# KiCad board temp sensor_panel.kicad_pcb (continued)
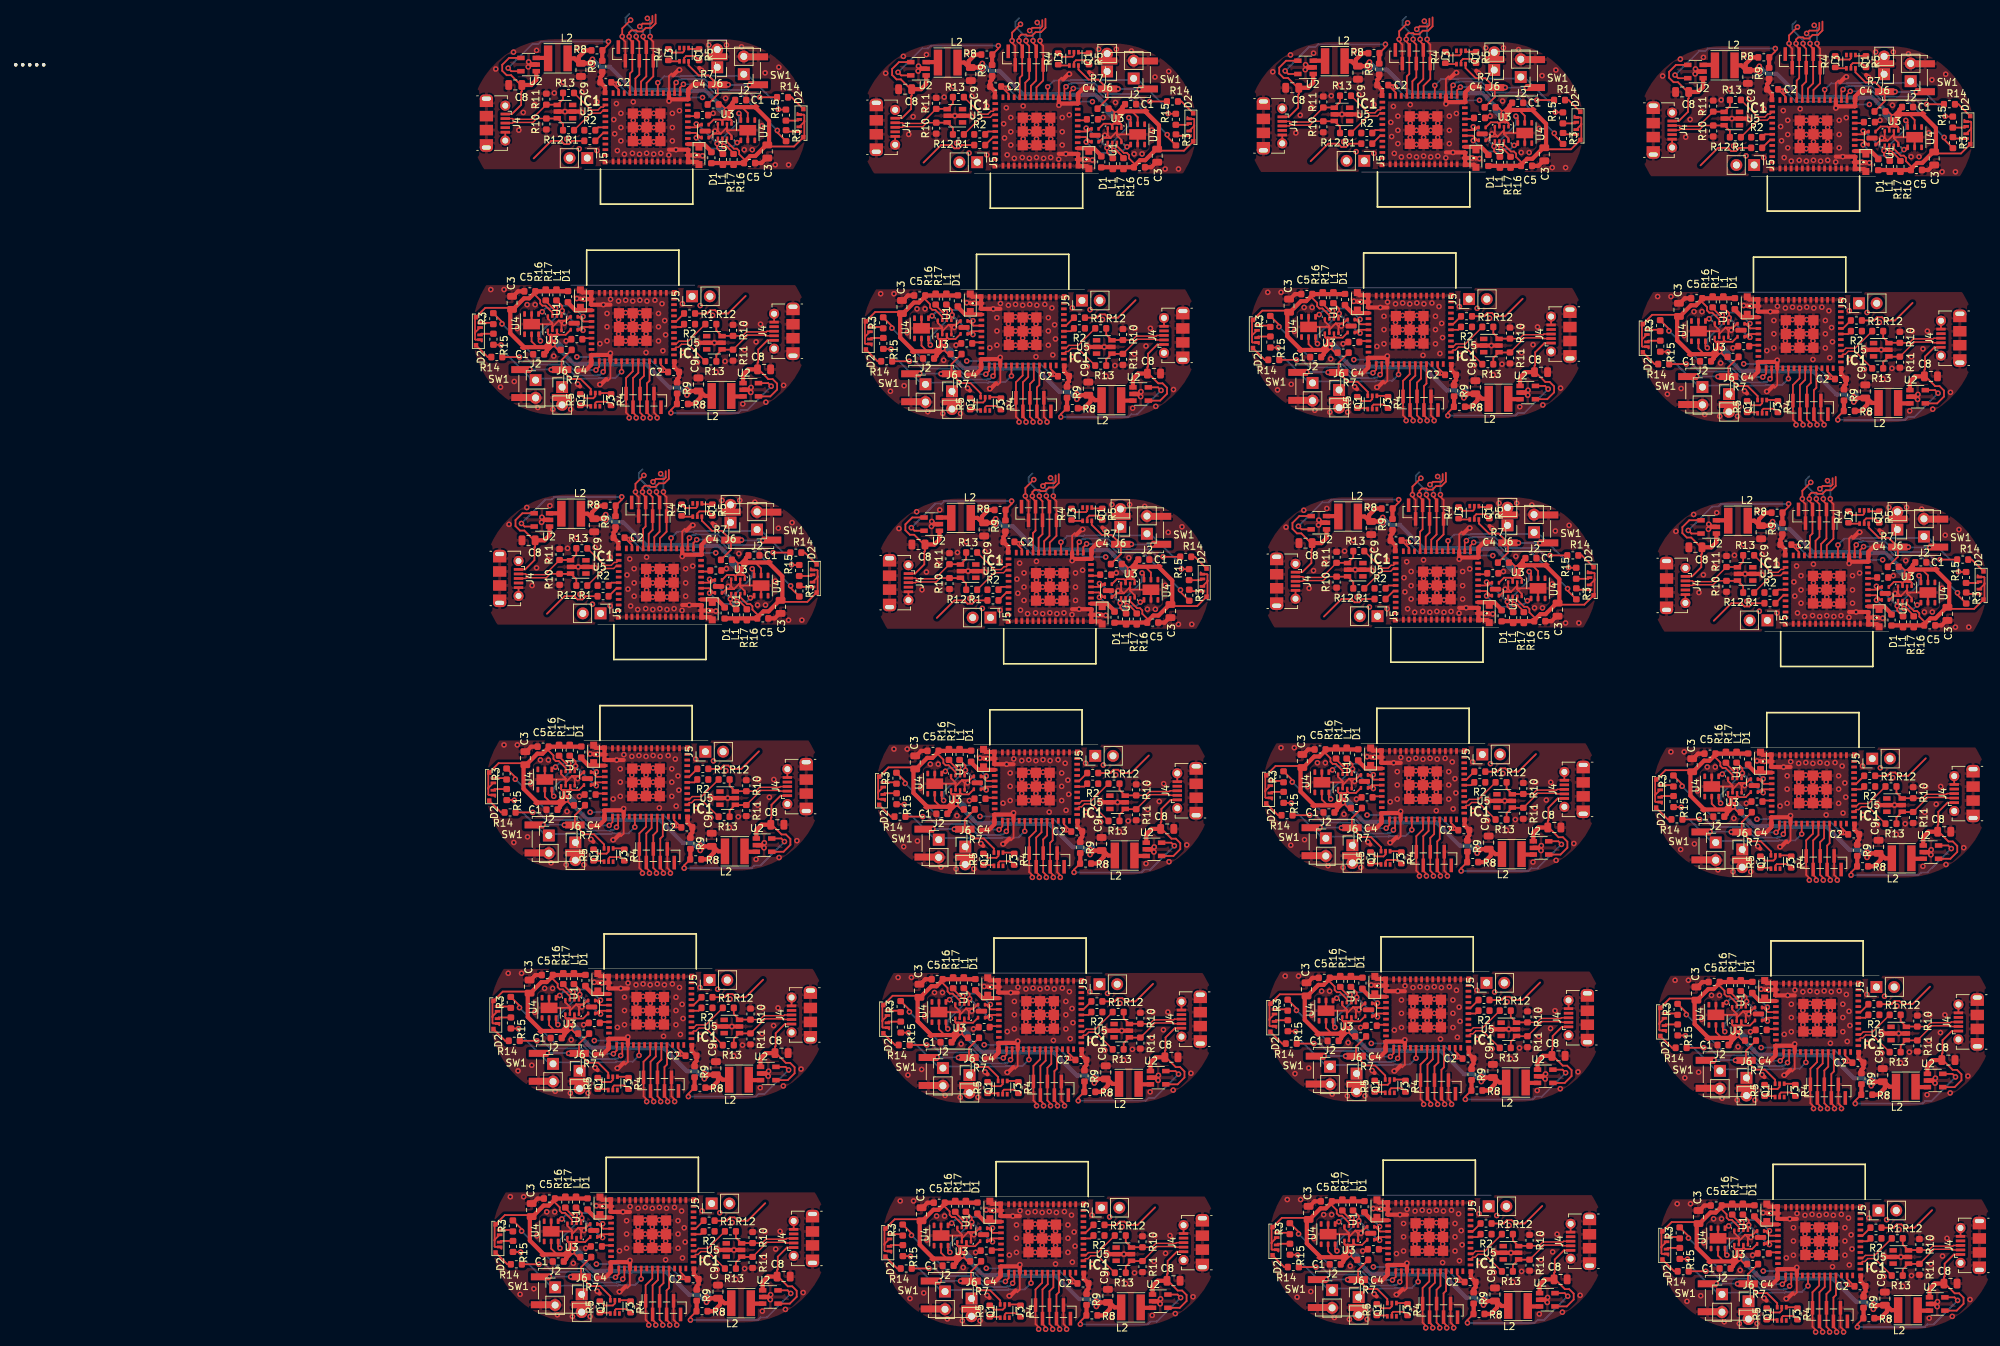
[diagram p0: board, top side]
## Placement (name value [footprint] x y rotation side) (continued)
J4#20  USB_B_Micro  [USB_Micro-B_Molex-105017-0001]  88.88 25.8 90 top
J4#21  USB_B_Micro  [USB_Micro-B_Molex-105017-0001]  200.38 -6.6 90 top
J4#22  USB_B_Micro  [USB_Micro-B_Molex-105017-0001]  144.58 -6 90 top
J4#23  USB_B_Micro  [USB_Micro-B_Molex-105017-0001]  33.38 -5.6 90 top
J4#24  USB_B_Micro  [USB_Micro-B_Molex-105017-0001]  89.18 -6.2 90 top
J5  Conn_01x02_Male  [PinHeader_1x02_P2.54mm_Vertical]  17.38 129.3 90 top
J5#2  Conn_01x02_Male  [PinHeader_1x02_P2.54mm_Vertical]  2.38 149.1 270 top
J5#3  Conn_01x02_Male  [PinHeader_1x02_P2.54mm_Vertical]  58.18 148.5 270 top
J5#4  Conn_01x02_Male  [PinHeader_1x02_P2.54mm_Vertical]  73.18 128.7 90 top
J5#5  Conn_01x02_Male  [PinHeader_1x02_P2.54mm_Vertical]  113.58 148.7 270 top
J5#6  Conn_01x02_Male  [PinHeader_1x02_P2.54mm_Vertical]  128.58 128.9 90 top
J5#7  Conn_01x02_Male  [PinHeader_1x02_P2.54mm_Vertical]  169.38 148.1 270 top
J5#8  Conn_01x02_Male  [PinHeader_1x02_P2.54mm_Vertical]  184.38 128.3 90 top
J5#9  Conn_01x02_Male  [PinHeader_1x02_P2.54mm_Vertical]  4.28 83.9 270 top
J5#10  Conn_01x02_Male  [PinHeader_1x02_P2.54mm_Vertical]  19.28 64.1 90 top
J5#11  Conn_01x02_Male  [PinHeader_1x02_P2.54mm_Vertical]  186.28 63.1 90 top
J5#12  Conn_01x02_Male  [PinHeader_1x02_P2.54mm_Vertical]  60.08 83.3 270 top
J5#13  Conn_01x02_Male  [PinHeader_1x02_P2.54mm_Vertical]  75.08 63.5 90 top
J5#14  Conn_01x02_Male  [PinHeader_1x02_P2.54mm_Vertical]  115.48 83.5 270 top
J5#15  Conn_01x02_Male  [PinHeader_1x02_P2.54mm_Vertical]  130.48 63.7 90 top
J5#16  Conn_01x02_Male  [PinHeader_1x02_P2.54mm_Vertical]  171.28 82.9 270 top
J5#17  Conn_01x02_Male  [PinHeader_1x02_P2.54mm_Vertical]  131.08 31 90 top
J5#18  Conn_01x02_Male  [PinHeader_1x02_P2.54mm_Vertical]  19.88 31.4 90 top
J5#19  Conn_01x02_Male  [PinHeader_1x02_P2.54mm_Vertical]  186.88 30.4 90 top
J5#20  Conn_01x02_Male  [PinHeader_1x02_P2.54mm_Vertical]  75.68 30.8 90 top
J5#21  Conn_01x02_Male  [PinHeader_1x02_P2.54mm_Vertical]  20.18 -0.6 90 top
J5#22  Conn_01x02_Male  [PinHeader_1x02_P2.54mm_Vertical]  131.38 -1 90 top
J5#23  Conn_01x02_Male  [PinHeader_1x02_P2.54mm_Vertical]  187.18 -1.6 90 top
J5#24  Conn_01x02_Male  [PinHeader_1x02_P2.54mm_Vertical]  75.98 -1.2 90 top
J6  Conn_01x02_Male  [PinHeader_1x02_P2.54mm_Vertical]  -1.22 116.3 0 top
J6#2  Conn_01x02_Male  [PinHeader_1x02_P2.54mm_Vertical]  20.98 162.1 180 top
J6#3  Conn_01x02_Male  [PinHeader_1x02_P2.54mm_Vertical]  76.78 161.5 180 top
J6#4  Conn_01x02_Male  [PinHeader_1x02_P2.54mm_Vertical]  54.58 115.7 0 top
J6#5  Conn_01x02_Male  [PinHeader_1x02_P2.54mm_Vertical]  132.18 161.7 180 top
J6#6  Conn_01x02_Male  [PinHeader_1x02_P2.54mm_Vertical]  109.98 115.9 0 top
J6#7  Conn_01x02_Male  [PinHeader_1x02_P2.54mm_Vertical]  187.98 161.1 180 top
J6#8  Conn_01x02_Male  [PinHeader_1x02_P2.54mm_Vertical]  165.78 115.3 0 top
J6#9  Conn_01x02_Male  [PinHeader_1x02_P2.54mm_Vertical]  22.88 96.9 180 top
J6#10  Conn_01x02_Male  [PinHeader_1x02_P2.54mm_Vertical]  0.68 51.1 0 top
J6#11  Conn_01x02_Male  [PinHeader_1x02_P2.54mm_Vertical]  167.68 50.1 0 top
J6#12  Conn_01x02_Male  [PinHeader_1x02_P2.54mm_Vertical]  78.68 96.3 180 top
J6#13  Conn_01x02_Male  [PinHeader_1x02_P2.54mm_Vertical]  56.48 50.5 0 top
J6#14  Conn_01x02_Male  [PinHeader_1x02_P2.54mm_Vertical]  134.08 96.5 180 top
J6#15  Conn_01x02_Male  [PinHeader_1x02_P2.54mm_Vertical]  111.88 50.7 0 top
J6#16  Conn_01x02_Male  [PinHeader_1x02_P2.54mm_Vertical]  189.88 95.9 180 top
J6#17  Conn_01x02_Male  [PinHeader_1x02_P2.54mm_Vertical]  112.48 18 0 top
J6#18  Conn_01x02_Male  [PinHeader_1x02_P2.54mm_Vertical]  1.28 18.4 0 top
J6#19  Conn_01x02_Male  [PinHeader_1x02_P2.54mm_Vertical]  168.28 17.4 0 top
J6#20  Conn_01x02_Male  [PinHeader_1x02_P2.54mm_Vertical]  57.08 17.8 0 top
J6#21  Conn_01x02_Male  [PinHeader_1x02_P2.54mm_Vertical]  1.58 -13.6 0 top
J6#22  Conn_01x02_Male  [PinHeader_1x02_P2.54mm_Vertical]  168.58 -14.6 0 top
J6#23  Conn_01x02_Male  [PinHeader_1x02_P2.54mm_Vertical]  112.78 -14 0 top
J6#24  Conn_01x02_Male  [PinHeader_1x02_P2.54mm_Vertical]  57.38 -14.2 0 top
L1  L_Core_Ferrite_Small  [L_0603_1608Metric]  -0.38 129.25 270 top
L1#2  L_Core_Ferrite_Small  [L_0603_1608Metric]  20.14 149.14 90 top
L1#3  L_Core_Ferrite_Small  [L_0603_1608Metric]  75.94 148.54 90 top
L1#4  L_Core_Ferrite_Small  [L_0603_1608Metric]  55.42 128.65 270 top
L1#5  L_Core_Ferrite_Small  [L_0603_1608Metric]  131.34 148.74 90 top
L1#6  L_Core_Ferrite_Small  [L_0603_1608Metric]  110.82 128.85 270 top
L1#7  L_Core_Ferrite_Small  [L_0603_1608Metric]  187.14 148.14 90 top
L1#8  L_Core_Ferrite_Small  [L_0603_1608Metric]  166.62 128.25 270 top
L1#9  L_Core_Ferrite_Small  [L_0603_1608Metric]  22.04 83.94 90 top
L1#10  L_Core_Ferrite_Small  [L_0603_1608Metric]  1.52 64.05 270 top
L1#11  L_Core_Ferrite_Small  [L_0603_1608Metric]  168.52 63.05 270 top
L1#12  L_Core_Ferrite_Small  [L_0603_1608Metric]  189.05 82.94 90 top
L1#13  L_Core_Ferrite_Small  [L_0603_1608Metric]  77.84 83.34 90 top
L1#14  L_Core_Ferrite_Small  [L_0603_1608Metric]  57.32 63.45 270 top
L1#15  L_Core_Ferrite_Small  [L_0603_1608Metric]  133.25 83.54 90 top
L1#16  L_Core_Ferrite_Small  [L_0603_1608Metric]  112.72 63.65 270 top
L1#17  L_Core_Ferrite_Small  [L_0603_1608Metric]  113.32 30.95 270 top
L1#18  L_Core_Ferrite_Small  [L_0603_1608Metric]  169.12 30.35 270 top
L1#19  L_Core_Ferrite_Small  [L_0603_1608Metric]  2.12 31.35 270 top
L1#20  L_Core_Ferrite_Small  [L_0603_1608Metric]  57.92 30.75 270 top
L1#21  L_Core_Ferrite_Small  [L_0603_1608Metric]  2.42 -0.65 270 top
L1#22  L_Core_Ferrite_Small  [L_0603_1608Metric]  169.42 -1.65 270 top
L1#23  L_Core_Ferrite_Small  [L_0603_1608Metric]  113.62 -1.05 270 top
L1#24  L_Core_Ferrite_Small  [L_0603_1608Metric]  58.22 -1.25 270 top
L2  2.2uH  [L_Taiyo-Yuden_MD-4040]  21.59 115.02 180 top
L2#2  2.2uH  [L_Taiyo-Yuden_MD-4040]  -1.83 163.37 0 top
L2#3  2.2uH  [L_Taiyo-Yuden_MD-4040]  53.97 162.77 0 top
L2#4  2.2uH  [L_Taiyo-Yuden_MD-4040]  77.39 114.42 180 top
L2#5  2.2uH  [L_Taiyo-Yuden_MD-4040]  109.37 162.97 0 top
L2#6  2.2uH  [L_Taiyo-Yuden_MD-4040]  132.79 114.62 180 top
L2#7  2.2uH  [L_Taiyo-Yuden_MD-4040]  165.17 162.37 0 top
L2#8  2.2uH  [L_Taiyo-Yuden_MD-4040]  188.59 114.02 180 top
L2#9  2.2uH  [L_Taiyo-Yuden_MD-4040]  0.07 98.17 0 top
L2#10  2.2uH  [L_Taiyo-Yuden_MD-4040]  23.49 49.82 180 top
L2#11  2.2uH  [L_Taiyo-Yuden_MD-4040]  190.49 48.82 180 top
L2#12  2.2uH  [L_Taiyo-Yuden_MD-4040]  55.87 97.57 0 top
L2#13  2.2uH  [L_Taiyo-Yuden_MD-4040]  79.29 49.22 180 top
L2#14  2.2uH  [L_Taiyo-Yuden_MD-4040]  111.27 97.77 0 top
L2#15  2.2uH  [L_Taiyo-Yuden_MD-4040]  134.69 49.43 180 top
L2#16  2.2uH  [L_Taiyo-Yuden_MD-4040]  167.07 97.17 0 top
L2#17  2.2uH  [L_Taiyo-Yuden_MD-4040]  135.29 16.72 180 top
L2#18  2.2uH  [L_Taiyo-Yuden_MD-4040]  24.09 17.12 180 top
L2#19  2.2uH  [L_Taiyo-Yuden_MD-4040]  191.09 16.12 180 top
L2#20  2.2uH  [L_Taiyo-Yuden_MD-4040]  79.89 16.53 180 top
L2#21  2.2uH  [L_Taiyo-Yuden_MD-4040]  24.39 -14.88 180 top
L2#22  2.2uH  [L_Taiyo-Yuden_MD-4040]  135.59 -15.28 180 top
L2#23  2.2uH  [L_Taiyo-Yuden_MD-4040]  191.39 -15.88 180 top
L2#24  2.2uH  [L_Taiyo-Yuden_MD-4040]  80.19 -15.47 180 top
Q1  BC847BDW1  [SOT-363_SC-70-6]  3.53 114.5 90 top
Q1#2  BC847BDW1  [SOT-363_SC-70-6]  16.23 163.9 270 top
Q1#3  BC847BDW1  [SOT-363_SC-70-6]  72.03 163.3 270 top
Q1#4  BC847BDW1  [SOT-363_SC-70-6]  59.33 113.9 90 top
Q1#5  BC847BDW1  [SOT-363_SC-70-6]  127.43 163.5 270 top
Q1#6  BC847BDW1  [SOT-363_SC-70-6]  114.73 114.1 90 top
Q1#7  BC847BDW1  [SOT-363_SC-70-6]  183.23 162.9 270 top
Q1#8  BC847BDW1  [SOT-363_SC-70-6]  170.53 113.5 90 top
Q1#9  BC847BDW1  [SOT-363_SC-70-6]  18.13 98.7 270 top
Q1#10  BC847BDW1  [SOT-363_SC-70-6]  5.43 49.3 90 top
Q1#11  BC847BDW1  [SOT-363_SC-70-6]  172.43 48.3 90 top
Q1#12  BC847BDW1  [SOT-363_SC-70-6]  73.93 98.1 270 top
Q1#13  BC847BDW1  [SOT-363_SC-70-6]  61.23 48.7 90 top
Q1#14  BC847BDW1  [SOT-363_SC-70-6]  129.33 98.3 270 top
Q1#15  BC847BDW1  [SOT-363_SC-70-6]  116.63 48.9 90 top
Q1#16  BC847BDW1  [SOT-363_SC-70-6]  185.13 97.7 270 top
Q1#17  BC847BDW1  [SOT-363_SC-70-6]  6.03 16.6 90 top
Q1#18  BC847BDW1  [SOT-363_SC-70-6]  173.03 15.6 90 top
Q1#19  BC847BDW1  [SOT-363_SC-70-6]  61.83 16 90 top
Q1#20  BC847BDW1  [SOT-363_SC-70-6]  117.23 16.2 90 top
Q1#21  BC847BDW1  [SOT-363_SC-70-6]  173.33 -16.4 90 top
Q1#22  BC847BDW1  [SOT-363_SC-70-6]  6.33 -15.4 90 top
Q1#23  BC847BDW1  [SOT-363_SC-70-6]  62.13 -16 90 top
Q1#24  BC847BDW1  [SOT-363_SC-70-6]  117.53 -15.8 90 top
R1  499R  [R_0603_1608Metric]  17.02 126.84 0 top
R1#2  499R  [R_0603_1608Metric]  2.75 151.56 180 top
R1#3  499R  [R_0603_1608Metric]  58.55 150.96 180 top
R1#4  499R  [R_0603_1608Metric]  72.82 126.24 0 top
R1#5  499R  [R_0603_1608Metric]  113.95 151.16 180 top
R1#6  499R  [R_0603_1608Metric]  128.22 126.44 0 top
R1#7  499R  [R_0603_1608Metric]  169.75 150.56 180 top
R1#8  499R  [R_0603_1608Metric]  184.02 125.84 0 top
R1#9  499R  [R_0603_1608Metric]  4.65 86.36 180 top
R1#10  499R  [R_0603_1608Metric]  18.92 61.64 0 top
R1#11  499R  [R_0603_1608Metric]  185.92 60.64 0 top
R1#12  499R  [R_0603_1608Metric]  60.45 85.76 180 top
R1#13  499R  [R_0603_1608Metric]  74.72 61.04 0 top
R1#14  499R  [R_0603_1608Metric]  115.85 85.96 180 top
R1#15  499R  [R_0603_1608Metric]  130.12 61.24 0 top
R1#16  499R  [R_0603_1608Metric]  171.65 85.36 180 top
R1#17  499R  [R_0603_1608Metric]  130.72 28.54 0 top
R1#18  499R  [R_0603_1608Metric]  19.52 28.94 0 top
R1#19  499R  [R_0603_1608Metric]  186.52 27.94 0 top
R1#20  499R  [R_0603_1608Metric]  75.32 28.34 0 top
R1#21  499R  [R_0603_1608Metric]  19.82 -3.06 0 top
R1#22  499R  [R_0603_1608Metric]  186.82 -4.06 0 top
R1#23  499R  [R_0603_1608Metric]  131.02 -3.46 0 top
R1#24  499R  [R_0603_1608Metric]  75.62 -3.66 0 top
R2  499R  [R_0603_1608Metric]  17.02 125.31 0 top
R2#2  499R  [R_0603_1608Metric]  2.75 153.08 180 top
R2#3  499R  [R_0603_1608Metric]  58.55 152.48 180 top
R2#4  499R  [R_0603_1608Metric]  72.82 124.71 0 top
R2#5  499R  [R_0603_1608Metric]  113.95 152.68 180 top
R2#6  499R  [R_0603_1608Metric]  128.22 124.91 0 top
R2#7  499R  [R_0603_1608Metric]  169.75 152.08 180 top
R2#8  499R  [R_0603_1608Metric]  184.02 124.31 0 top
R2#9  499R  [R_0603_1608Metric]  4.65 87.88 180 top
R2#10  499R  [R_0603_1608Metric]  18.92 60.11 0 top
R2#11  499R  [R_0603_1608Metric]  185.92 59.11 0 top
R2#12  499R  [R_0603_1608Metric]  60.45 87.28 180 top
R2#13  499R  [R_0603_1608Metric]  74.72 59.51 0 top
R2#14  499R  [R_0603_1608Metric]  115.85 87.48 180 top
R2#15  499R  [R_0603_1608Metric]  130.12 59.71 0 top
R2#16  499R  [R_0603_1608Metric]  171.65 86.88 180 top
R2#17  499R  [R_0603_1608Metric]  130.72 27.01 0 top
R2#18  499R  [R_0603_1608Metric]  19.52 27.41 0 top
R2#19  499R  [R_0603_1608Metric]  186.52 26.41 0 top
R2#20  499R  [R_0603_1608Metric]  75.32 26.81 0 top
R2#21  499R  [R_0603_1608Metric]  186.82 -5.59 0 top
R2#22  499R  [R_0603_1608Metric]  131.02 -4.99 0 top
R2#23  499R  [R_0603_1608Metric]  19.82 -4.59 0 top
R2#24  499R  [R_0603_1608Metric]  75.62 -5.19 0 top
R3  200  [R_0603_1608Metric]  -11.07 126.1 270 top
R3#2  200  [R_0603_1608Metric]  30.83 152.3 90 top
R3#3  200  [R_0603_1608Metric]  86.63 151.7 90 top
R3#4  200  [R_0603_1608Metric]  44.73 125.5 270 top
R3#5  200  [R_0603_1608Metric]  142.03 151.9 90 top
R3#6  200  [R_0603_1608Metric]  100.13 125.7 270 top
R3#7  200  [R_0603_1608Metric]  197.83 151.3 90 top
R3#8  200  [R_0603_1608Metric]  155.93 125.1 270 top
R3#9  200  [R_0603_1608Metric]  32.73 87.1 90 top
R3#10  200  [R_0603_1608Metric]  -9.17 60.9 270 top
R3#11  200  [R_0603_1608Metric]  157.83 59.9 270 top
R3#12  200  [R_0603_1608Metric]  88.53 86.5 90 top
R3#13  200  [R_0603_1608Metric]  46.63 60.3 270 top
R3#14  200  [R_0603_1608Metric]  143.93 86.7 90 top
R3#15  200  [R_0603_1608Metric]  102.03 60.5 270 top
R3#16  200  [R_0603_1608Metric]  199.73 86.1 90 top
R3#17  200  [R_0603_1608Metric]  102.63 27.8 270 top
R3#18  200  [R_0603_1608Metric]  -8.57 28.2 270 top
R3#19  200  [R_0603_1608Metric]  158.43 27.2 270 top
R3#20  200  [R_0603_1608Metric]  47.23 27.6 270 top
R3#21  200  [R_0603_1608Metric]  158.73 -4.8 270 top
R3#22  200  [R_0603_1608Metric]  102.93 -4.2 270 top
R3#23  200  [R_0603_1608Metric]  -8.27 -3.8 270 top
R3#24  200  [R_0603_1608Metric]  47.53 -4.4 270 top
R4  10K  [R_0603_1608Metric#2]  5.78 114.5 270 top
R4#2  10K  [R_0603_1608Metric#2]  13.98 163.9 90 top
R4#3  10K  [R_0603_1608Metric#2]  69.78 163.3 90 top
R4#4  10K  [R_0603_1608Metric#2]  61.58 113.9 270 top
R4#5  10K  [R_0603_1608Metric#2]  125.18 163.5 90 top
R4#6  10K  [R_0603_1608Metric#2]  116.98 114.1 270 top
R4#7  10K  [R_0603_1608Metric#2]  180.98 162.9 90 top
R4#8  10K  [R_0603_1608Metric#2]  172.78 113.5 270 top
R4#9  10K  [R_0603_1608Metric#2]  15.88 98.7 90 top
R4#10  10K  [R_0603_1608Metric#2]  7.68 49.3 270 top
R4#11  10K  [R_0603_1608Metric#2]  174.68 48.3 270 top
R4#12  10K  [R_0603_1608Metric#2]  71.68 98.1 90 top
R4#13  10K  [R_0603_1608Metric#2]  63.48 48.7 270 top
R4#14  10K  [R_0603_1608Metric#2]  127.08 98.3 90 top
R4#15  10K  [R_0603_1608Metric#2]  118.88 48.9 270 top
R4#16  10K  [R_0603_1608Metric#2]  182.88 97.7 90 top
R4#17  10K  [R_0603_1608Metric#2]  119.48 16.2 270 top
R4#18  10K  [R_0603_1608Metric#2]  8.28 16.6 270 top
R4#19  10K  [R_0603_1608Metric#2]  175.28 15.6 270 top
R4#20  10K  [R_0603_1608Metric#2]  64.08 16 270 top
R4#21  10K  [R_0603_1608Metric#2]  119.78 -15.8 270 top
R4#22  10K  [R_0603_1608Metric#2]  8.58 -15.4 270 top
R4#23  10K  [R_0603_1608Metric#2]  175.58 -16.4 270 top
R4#24  10K  [R_0603_1608Metric#2]  64.38 -16 270 top
R5  10K  [R_0603_1608Metric#2]  1.38 114.5 90 top
R5#2  10K  [R_0603_1608Metric#2]  18.38 163.9 270 top
R5#3  10K  [R_0603_1608Metric#2]  74.18 163.3 270 top
R5#4  10K  [R_0603_1608Metric#2]  57.18 113.9 90 top
R5#5  10K  [R_0603_1608Metric#2]  129.58 163.5 270 top
R5#6  10K  [R_0603_1608Metric#2]  112.58 114.1 90 top
R5#7  10K  [R_0603_1608Metric#2]  185.38 162.9 270 top
R5#8  10K  [R_0603_1608Metric#2]  168.38 113.5 90 top
R5#9  10K  [R_0603_1608Metric#2]  20.28 98.7 270 top
R5#10  10K  [R_0603_1608Metric#2]  3.28 49.3 90 top
R5#11  10K  [R_0603_1608Metric#2]  170.28 48.3 90 top
R5#12  10K  [R_0603_1608Metric#2]  76.08 98.1 270 top
R5#13  10K  [R_0603_1608Metric#2]  59.08 48.7 90 top
R5#14  10K  [R_0603_1608Metric#2]  131.48 98.3 270 top
R5#15  10K  [R_0603_1608Metric#2]  114.48 48.9 90 top
R5#16  10K  [R_0603_1608Metric#2]  187.28 97.7 270 top
R5#17  10K  [R_0603_1608Metric#2]  115.08 16.2 90 top
R5#18  10K  [R_0603_1608Metric#2]  3.88 16.6 90 top
R5#19  10K  [R_0603_1608Metric#2]  170.88 15.6 90 top
R5#20  10K  [R_0603_1608Metric#2]  59.68 16 90 top
R5#21  10K  [R_0603_1608Metric#2]  4.18 -15.4 90 top
R5#22  10K  [R_0603_1608Metric#2]  171.18 -16.4 90 top
R5#23  10K  [R_0603_1608Metric#2]  115.38 -15.8 90 top
R5#24  10K  [R_0603_1608Metric#2]  59.98 -16 90 top
R7  10K  [R_0603_1608Metric]  -0.64 121.63 180 top
R7#2  10K  [R_0603_1608Metric]  20.4 156.76 0 top
R7#3  10K  [R_0603_1608Metric]  76.2 156.16 0 top
R7#4  10K  [R_0603_1608Metric]  55.16 121.03 180 top
R7#5  10K  [R_0603_1608Metric]  131.6 156.36 0 top
R7#6  10K  [R_0603_1608Metric]  110.56 121.23 180 top
R7#7  10K  [R_0603_1608Metric]  187.4 155.76 0 top
R7#8  10K  [R_0603_1608Metric]  166.37 120.63 180 top
R7#9  10K  [R_0603_1608Metric]  22.3 91.56 0 top
R7#10  10K  [R_0603_1608Metric]  1.26 56.43 180 top
R7#11  10K  [R_0603_1608Metric]  168.26 55.43 180 top
R7#12  10K  [R_0603_1608Metric]  78.1 90.96 0 top
R7#13  10K  [R_0603_1608Metric]  57.06 55.83 180 top
R7#14  10K  [R_0603_1608Metric]  133.5 91.16 0 top
R7#15  10K  [R_0603_1608Metric]  112.46 56.03 180 top
R7#16  10K  [R_0603_1608Metric]  189.3 90.56 0 top
R7#17  10K  [R_0603_1608Metric]  113.06 23.33 180 top
R7#18  10K  [R_0603_1608Metric]  1.86 23.73 180 top
R7#19  10K  [R_0603_1608Metric]  168.87 22.73 180 top
R7#20  10K  [R_0603_1608Metric]  57.66 23.13 180 top
R7#21  10K  [R_0603_1608Metric]  169.17 -9.27 180 top
R7#22  10K  [R_0603_1608Metric]  113.36 -8.67 180 top
R7#23  10K  [R_0603_1608Metric]  2.16 -8.27 180 top
R7#24  10K  [R_0603_1608Metric]  57.97 -8.87 180 top
R8  680k  [R_0603_1608Metric]  16 113.88 0 top
R8#2  680k  [R_0603_1608Metric]  3.76 164.51 180 top
R8#3  680k  [R_0603_1608Metric]  59.56 163.91 180 top
R8#4  680k  [R_0603_1608Metric]  71.8 113.28 0 top
R8#5  680k  [R_0603_1608Metric]  114.96 164.11 180 top
R8#6  680k  [R_0603_1608Metric]  127.2 113.48 0 top
R8#7  680k  [R_0603_1608Metric]  170.76 163.51 180 top
R8#8  680k  [R_0603_1608Metric]  183 112.88 0 top
R8#9  680k  [R_0603_1608Metric]  5.66 99.31 180 top
R8#10  680k  [R_0603_1608Metric]  17.9 48.68 0 top
R8#11  680k  [R_0603_1608Metric]  184.9 47.68 0 top
R8#12  680k  [R_0603_1608Metric]  61.46 98.71 180 top
R8#13  680k  [R_0603_1608Metric]  73.7 48.08 0 top
R8#14  680k  [R_0603_1608Metric]  116.86 98.91 180 top
R8#15  680k  [R_0603_1608Metric]  129.1 48.28 0 top
R8#16  680k  [R_0603_1608Metric]  172.66 98.31 180 top
R8#17  680k  [R_0603_1608Metric]  129.7 15.58 0 top
R8#18  680k  [R_0603_1608Metric]  18.5 15.98 0 top
R8#19  680k  [R_0603_1608Metric]  185.5 14.98 0 top
R8#20  680k  [R_0603_1608Metric]  74.3 15.38 0 top
R8#21  680k  [R_0603_1608Metric]  18.8 -16.02 0 top
R8#22  680k  [R_0603_1608Metric]  185.8 -17.02 0 top
R8#23  680k  [R_0603_1608Metric]  130 -16.42 0 top
R8#24  680k  [R_0603_1608Metric]  74.6 -16.62 0 top
R9  150K  [R_0603_1608Metric]  15.24 116.17 270 top
R9#2  150K  [R_0603_1608Metric]  4.52 162.22 90 top
R9#3  150K  [R_0603_1608Metric]  60.32 161.62 90 top
R9#4  150K  [R_0603_1608Metric]  71.04 115.57 270 top
R9#5  150K  [R_0603_1608Metric]  115.72 161.82 90 top
R9#6  150K  [R_0603_1608Metric]  126.44 115.77 270 top
R9#7  150K  [R_0603_1608Metric]  171.52 161.22 90 top
R9#8  150K  [R_0603_1608Metric]  182.24 115.17 270 top
R9#9  150K  [R_0603_1608Metric]  6.42 97.02 90 top
R9#10  150K  [R_0603_1608Metric]  17.14 50.97 270 top
R9#11  150K  [R_0603_1608Metric]  184.14 49.97 270 top
R9#12  150K  [R_0603_1608Metric]  62.22 96.42 90 top
R9#13  150K  [R_0603_1608Metric]  72.94 50.37 270 top
R9#14  150K  [R_0603_1608Metric]  117.62 96.62 90 top
R9#15  150K  [R_0603_1608Metric]  128.34 50.57 270 top
R9#16  150K  [R_0603_1608Metric]  173.42 96.02 90 top
R9#17  150K  [R_0603_1608Metric]  128.94 17.87 270 top
R9#18  150K  [R_0603_1608Metric]  17.74 18.27 270 top
R9#19  150K  [R_0603_1608Metric]  184.74 17.27 270 top
R9#20  150K  [R_0603_1608Metric]  73.54 17.67 270 top
R9#21  150K  [R_0603_1608Metric]  18.04 -13.73 270 top
R9#22  150K  [R_0603_1608Metric]  185.04 -14.73 270 top
R9#23  150K  [R_0603_1608Metric]  129.24 -14.13 270 top
R9#24  150K  [R_0603_1608Metric]  73.84 -14.33 270 top
R10  15K  [R_0603_1608Metric]  23.24 124.42 90 top
R10#2  15K  [R_0603_1608Metric]  -3.48 153.97 270 top
R10#3  15K  [R_0603_1608Metric]  52.32 153.37 270 top
R10#4  15K  [R_0603_1608Metric]  79.04 123.82 90 top
R10#5  15K  [R_0603_1608Metric]  107.72 153.57 270 top
R10#6  15K  [R_0603_1608Metric]  134.44 124.02 90 top
R10#7  15K  [R_0603_1608Metric]  163.52 152.97 270 top
R10#8  15K  [R_0603_1608Metric]  190.24 123.42 90 top
R10#9  15K  [R_0603_1608Metric]  -1.58 88.77 270 top
R10#10  15K  [R_0603_1608Metric]  25.14 59.22 90 top
R10#11  15K  [R_0603_1608Metric]  54.22 88.17 270 top
R10#12  15K  [R_0603_1608Metric]  80.94 58.62 90 top
R10#13  15K  [R_0603_1608Metric]  136.34 58.82 90 top
R10#14  15K  [R_0603_1608Metric]  109.62 88.37 270 top
R10#15  15K  [R_0603_1608Metric]  165.42 87.77 270 top
R10#16  15K  [R_0603_1608Metric]  192.14 58.22 90 top
R10#17  15K  [R_0603_1608Metric]  192.74 25.52 90 top
R10#18  15K  [R_0603_1608Metric]  136.94 26.12 90 top
R10#19  15K  [R_0603_1608Metric]  25.74 26.52 90 top
R10#20  15K  [R_0603_1608Metric]  81.54 25.92 90 top
R10#21  15K  [R_0603_1608Metric]  193.04 -6.48 90 top
R10#22  15K  [R_0603_1608Metric]  137.24 -5.88 90 top
R10#23  15K  [R_0603_1608Metric]  26.04 -5.48 90 top
R10#24  15K  [R_0603_1608Metric]  81.84 -6.08 90 top
R11  15K  [R_0603_1608Metric]  23.24 120.87 90 top
R11#2  15K  [R_0603_1608Metric]  -3.48 157.53 270 top
R11#3  15K  [R_0603_1608Metric]  52.32 156.93 270 top
R11#4  15K  [R_0603_1608Metric]  79.04 120.27 90 top
R11#5  15K  [R_0603_1608Metric]  107.72 157.12 270 top
R11#6  15K  [R_0603_1608Metric]  134.44 120.47 90 top
R11#7  15K  [R_0603_1608Metric]  163.52 156.53 270 top
R11#8  15K  [R_0603_1608Metric]  190.24 119.87 90 top
R11#9  15K  [R_0603_1608Metric]  -1.58 92.33 270 top
R11#10  15K  [R_0603_1608Metric]  25.14 55.67 90 top
R11#11  15K  [R_0603_1608Metric]  165.42 91.33 270 top
R11#12  15K  [R_0603_1608Metric]  192.14 54.67 90 top
R11#13  15K  [R_0603_1608Metric]  54.22 91.72 270 top
R11#14  15K  [R_0603_1608Metric]  80.94 55.07 90 top
R11#15  15K  [R_0603_1608Metric]  109.62 91.92 270 top
R11#16  15K  [R_0603_1608Metric]  136.34 55.27 90 top
R11#17  15K  [R_0603_1608Metric]  136.94 22.57 90 top
R11#18  15K  [R_0603_1608Metric]  25.74 22.97 90 top
R11#19  15K  [R_0603_1608Metric]  192.74 21.97 90 top
R11#20  15K  [R_0603_1608Metric]  81.54 22.37 90 top
R11#21  15K  [R_0603_1608Metric]  137.24 -9.43 90 top
R11#22  15K  [R_0603_1608Metric]  26.04 -9.03 90 top
R11#23  15K  [R_0603_1608Metric]  193.04 -10.03 90 top
R11#24  15K  [R_0603_1608Metric]  81.84 -9.63 90 top
R12  27  [R_0603_1608Metric]  20.07 125.31 180 top
R12#2  27  [R_0603_1608Metric]  -0.3 153.08 0 top
R12#3  27  [R_0603_1608Metric]  55.5 152.48 0 top
R12#4  27  [R_0603_1608Metric]  75.87 124.71 180 top
R12#5  27  [R_0603_1608Metric]  110.9 152.68 0 top
R12#6  27  [R_0603_1608Metric]  131.27 124.91 180 top
R12#7  27  [R_0603_1608Metric]  166.7 152.08 0 top
R12#8  27  [R_0603_1608Metric]  187.07 124.31 180 top
R12#9  27  [R_0603_1608Metric]  1.6 87.88 0 top
R12#10  27  [R_0603_1608Metric]  21.97 60.11 180 top
R12#11  27  [R_0603_1608Metric]  188.97 59.11 180 top
R12#12  27  [R_0603_1608Metric]  57.4 87.28 0 top
R12#13  27  [R_0603_1608Metric]  77.77 59.51 180 top
R12#14  27  [R_0603_1608Metric]  112.8 87.48 0 top
R12#15  27  [R_0603_1608Metric]  133.17 59.71 180 top
R12#16  27  [R_0603_1608Metric]  168.6 86.88 0 top
R12#17  27  [R_0603_1608Metric]  133.77 27.01 180 top
R12#18  27  [R_0603_1608Metric]  22.57 27.41 180 top
R12#19  27  [R_0603_1608Metric]  189.57 26.41 180 top
R12#20  27  [R_0603_1608Metric]  78.37 26.81 180 top
R12#21  27  [R_0603_1608Metric]  189.87 -5.59 180 top
R12#22  27  [R_0603_1608Metric]  134.07 -4.99 180 top
R12#23  27  [R_0603_1608Metric]  22.87 -4.59 180 top
R12#24  27  [R_0603_1608Metric]  78.67 -5.19 180 top
R13  27  [R_0603_1608Metric]  20.07 119.98 180 top
R13#2  27  [R_0603_1608Metric]  -0.3 158.41 0 top
R13#3  27  [R_0603_1608Metric]  55.5 157.81 0 top
R13#4  27  [R_0603_1608Metric]  75.87 119.38 180 top
R13#5  27  [R_0603_1608Metric]  110.9 158.01 0 top
R13#6  27  [R_0603_1608Metric]  131.27 119.58 180 top
R13#7  27  [R_0603_1608Metric]  166.7 157.41 0 top
R13#8  27  [R_0603_1608Metric]  187.07 118.98 180 top
R13#9  27  [R_0603_1608Metric]  1.6 93.21 0 top
R13#10  27  [R_0603_1608Metric]  21.97 54.78 180 top
R13#11  27  [R_0603_1608Metric]  57.4 92.61 0 top
R13#12  27  [R_0603_1608Metric]  77.77 54.18 180 top
R13#13  27  [R_0603_1608Metric]  112.8 92.81 0 top
R13#14  27  [R_0603_1608Metric]  133.17 54.38 180 top
R13#15  27  [R_0603_1608Metric]  168.6 92.21 0 top
R13#16  27  [R_0603_1608Metric]  188.97 53.78 180 top
R13#17  27  [R_0603_1608Metric]  189.57 21.08 180 top
R13#18  27  [R_0603_1608Metric]  133.77 21.68 180 top
R13#19  27  [R_0603_1608Metric]  22.57 22.08 180 top
R13#20  27  [R_0603_1608Metric]  78.37 21.48 180 top
R13#21  27  [R_0603_1608Metric]  189.87 -10.92 180 top
R13#22  27  [R_0603_1608Metric]  134.07 -10.32 180 top
R13#23  27  [R_0603_1608Metric]  22.87 -9.92 180 top
R13#24  27  [R_0603_1608Metric]  78.67 -10.52 180 top
R14  100  [R_0603_1608Metric]  -10.57 120.6 180 top
R14#2  100  [R_0603_1608Metric]  30.33 157.8 0 top
R14#3  100  [R_0603_1608Metric]  86.13 157.2 0 top
R14#4  100  [R_0603_1608Metric]  45.23 120 180 top
R14#5  100  [R_0603_1608Metric]  141.53 157.4 0 top
R14#6  100  [R_0603_1608Metric]  100.63 120.2 180 top
R14#7  100  [R_0603_1608Metric]  197.33 156.8 0 top
R14#8  100  [R_0603_1608Metric]  156.43 119.6 180 top
R14#9  100  [R_0603_1608Metric]  32.23 92.6 0 top
R14#10  100  [R_0603_1608Metric]  -8.67 55.4 180 top
R14#11  100  [R_0603_1608Metric]  158.33 54.4 180 top
R14#12  100  [R_0603_1608Metric]  88.03 92 0 top
R14#13  100  [R_0603_1608Metric]  47.13 54.8 180 top
R14#14  100  [R_0603_1608Metric]  143.43 92.2 0 top
R14#15  100  [R_0603_1608Metric]  102.53 55 180 top
R14#16  100  [R_0603_1608Metric]  199.23 91.6 0 top
R14#17  100  [R_0603_1608Metric]  103.13 22.3 180 top
R14#18  100  [R_0603_1608Metric]  -8.07 22.7 180 top
R14#19  100  [R_0603_1608Metric]  158.93 21.7 180 top
R14#20  100  [R_0603_1608Metric]  47.73 22.1 180 top
R14#21  100  [R_0603_1608Metric]  -7.77 -9.3 180 top
R14#22  100  [R_0603_1608Metric]  103.43 -9.7 180 top
R14#23  100  [R_0603_1608Metric]  159.23 -10.3 180 top
R14#24  100  [R_0603_1608Metric]  48.03 -9.9 180 top
R15  100  [R_0603_1608Metric]  -11.05 123.15 90 top
R15#2  100  [R_0603_1608Metric]  30.81 155.24 270 top
R15#3  100  [R_0603_1608Metric]  86.61 154.64 270 top
R15#4  100  [R_0603_1608Metric]  44.75 122.55 90 top
R15#5  100  [R_0603_1608Metric]  142.01 154.84 270 top
R15#6  100  [R_0603_1608Metric]  100.15 122.75 90 top
R15#7  100  [R_0603_1608Metric]  197.81 154.24 270 top
R15#8  100  [R_0603_1608Metric]  155.95 122.15 90 top
R15#9  100  [R_0603_1608Metric]  32.71 90.04 270 top
R15#10  100  [R_0603_1608Metric]  -9.15 57.95 90 top
R15#11  100  [R_0603_1608Metric]  157.85 56.95 90 top
R15#12  100  [R_0603_1608Metric]  88.51 89.44 270 top
R15#13  100  [R_0603_1608Metric]  46.65 57.35 90 top
R15#14  100  [R_0603_1608Metric]  143.91 89.64 270 top
R15#15  100  [R_0603_1608Metric]  102.05 57.55 90 top
R15#16  100  [R_0603_1608Metric]  199.71 89.04 270 top
R15#17  100  [R_0603_1608Metric]  102.65 24.85 90 top
R15#18  100  [R_0603_1608Metric]  -8.55 25.25 90 top
R15#19  100  [R_0603_1608Metric]  158.45 24.25 90 top
R15#20  100  [R_0603_1608Metric]  47.25 24.65 90 top
R15#21  100  [R_0603_1608Metric]  102.95 -7.15 90 top
R15#22  100  [R_0603_1608Metric]  -8.25 -6.75 90 top
R15#23  100  [R_0603_1608Metric]  158.75 -7.75 90 top
R15#24  100  [R_0603_1608Metric]  47.55 -7.35 90 top
R16  10K  [R_0603_1608Metric]  -3.56 129.5 90 top
R16#2  10K  [R_0603_1608Metric]  23.32 148.89 270 top
R16#3  10K  [R_0603_1608Metric]  79.12 148.29 270 top
R16#4  10K  [R_0603_1608Metric]  52.24 128.9 90 top
R16#5  10K  [R_0603_1608Metric]  134.52 148.49 270 top
R16#6  10K  [R_0603_1608Metric]  107.64 129.1 90 top
R16#7  10K  [R_0603_1608Metric]  190.32 147.89 270 top
R16#8  10K  [R_0603_1608Metric]  163.44 128.5 90 top
R16#9  10K  [R_0603_1608Metric]  25.22 83.69 270 top
R16#10  10K  [R_0603_1608Metric]  -1.66 64.3 90 top
R16#11  10K  [R_0603_1608Metric]  81.02 83.09 270 top
R16#12  10K  [R_0603_1608Metric]  54.14 63.7 90 top
R16#13  10K  [R_0603_1608Metric]  136.42 83.29 270 top
R16#14  10K  [R_0603_1608Metric]  109.54 63.9 90 top
R16#15  10K  [R_0603_1608Metric]  192.22 82.69 270 top
R16#16  10K  [R_0603_1608Metric]  165.34 63.3 90 top
R16#17  10K  [R_0603_1608Metric]  165.94 30.6 90 top
R16#18  10K  [R_0603_1608Metric]  110.14 31.2 90 top
R16#19  10K  [R_0603_1608Metric]  -1.06 31.6 90 top
R16#20  10K  [R_0603_1608Metric]  54.74 31 90 top
R16#21  10K  [R_0603_1608Metric]  166.24 -1.4 90 top
R16#22  10K  [R_0603_1608Metric]  110.44 -0.8 90 top
R16#23  10K  [R_0603_1608Metric]  -0.76 -0.4 90 top
R16#24  10K  [R_0603_1608Metric]  55.04 -1 90 top
R17  10K  [R_0603_1608Metric]  -2.03 129.5 90 top
R17#2  10K  [R_0603_1608Metric]  21.8 148.89 270 top
R17#3  10K  [R_0603_1608Metric]  77.6 148.29 270 top
R17#4  10K  [R_0603_1608Metric]  53.77 128.9 90 top
R17#5  10K  [R_0603_1608Metric]  133 148.49 270 top
R17#6  10K  [R_0603_1608Metric]  109.17 129.1 90 top
R17#7  10K  [R_0603_1608Metric]  164.97 128.5 90 top
R17#8  10K  [R_0603_1608Metric]  188.8 147.89 270 top
R17#9  10K  [R_0603_1608Metric]  23.7 83.69 270 top
R17#10  10K  [R_0603_1608Metric]  -0.13 64.3 90 top
R17#11  10K  [R_0603_1608Metric]  166.87 63.3 90 top
R17#12  10K  [R_0603_1608Metric]  190.7 82.69 270 top
R17#13  10K  [R_0603_1608Metric]  55.67 63.7 90 top
R17#14  10K  [R_0603_1608Metric]  79.5 83.09 270 top
R17#15  10K  [R_0603_1608Metric]  134.9 83.29 270 top
R17#16  10K  [R_0603_1608Metric]  111.07 63.9 90 top
R17#17  10K  [R_0603_1608Metric]  111.67 31.2 90 top
R17#18  10K  [R_0603_1608Metric]  0.47 31.6 90 top
R17#19  10K  [R_0603_1608Metric]  167.47 30.6 90 top
R17#20  10K  [R_0603_1608Metric]  56.27 31 90 top
R17#21  10K  [R_0603_1608Metric]  0.77 -0.4 90 top
R17#22  10K  [R_0603_1608Metric]  167.77 -1.4 90 top
R17#23  10K  [R_0603_1608Metric]  111.97 -0.8 90 top
R17#24  10K  [R_0603_1608Metric]  56.57 -1 90 top
REF**  -  [SINGLE_SIDED_TAB]  -77.42 161.4 0 top
SW1  SW_Push  [SW_Push_1P1T_NO_CK_KSC6xxJ]  -4.19 116.8 180 top
SW1#2  SW_Push  [SW_Push_1P1T_NO_CK_KSC6xxJ]  23.95 161.59 0 top
SW1#3  SW_Push  [SW_Push_1P1T_NO_CK_KSC6xxJ]  79.75 160.99 0 top
SW1#4  SW_Push  [SW_Push_1P1T_NO_CK_KSC6xxJ]  51.61 116.2 180 top
SW1#5  SW_Push  [SW_Push_1P1T_NO_CK_KSC6xxJ]  135.15 161.19 0 top
SW1#6  SW_Push  [SW_Push_1P1T_NO_CK_KSC6xxJ]  107.01 116.4 180 top
SW1#7  SW_Push  [SW_Push_1P1T_NO_CK_KSC6xxJ]  190.95 160.59 0 top
SW1#8  SW_Push  [SW_Push_1P1T_NO_CK_KSC6xxJ]  162.81 115.8 180 top
SW1#9  SW_Push  [SW_Push_1P1T_NO_CK_KSC6xxJ]  25.85 96.39 0 top
SW1#10  SW_Push  [SW_Push_1P1T_NO_CK_KSC6xxJ]  -2.29 51.6 180 top
SW1#11  SW_Push  [SW_Push_1P1T_NO_CK_KSC6xxJ]  164.71 50.6 180 top
SW1#12  SW_Push  [SW_Push_1P1T_NO_CK_KSC6xxJ]  81.66 95.79 0 top
SW1#13  SW_Push  [SW_Push_1P1T_NO_CK_KSC6xxJ]  53.51 51 180 top
SW1#14  SW_Push  [SW_Push_1P1T_NO_CK_KSC6xxJ]  137.06 95.99 0 top
SW1#15  SW_Push  [SW_Push_1P1T_NO_CK_KSC6xxJ]  108.91 51.2 180 top
SW1#16  SW_Push  [SW_Push_1P1T_NO_CK_KSC6xxJ]  192.86 95.39 0 top
SW1#17  SW_Push  [SW_Push_1P1T_NO_CK_KSC6xxJ]  109.51 18.5 180 top
SW1#18  SW_Push  [SW_Push_1P1T_NO_CK_KSC6xxJ]  -1.69 18.9 180 top
SW1#19  SW_Push  [SW_Push_1P1T_NO_CK_KSC6xxJ]  165.31 17.9 180 top
SW1#20  SW_Push  [SW_Push_1P1T_NO_CK_KSC6xxJ]  54.11 18.3 180 top
SW1#21  SW_Push  [SW_Push_1P1T_NO_CK_KSC6xxJ]  -1.39 -13.1 180 top
SW1#22  SW_Push  [SW_Push_1P1T_NO_CK_KSC6xxJ]  109.81 -13.5 180 top
SW1#23  SW_Push  [SW_Push_1P1T_NO_CK_KSC6xxJ]  165.61 -14.1 180 top
